# Altium PCB PCB_3_3G_wireless.PcbDoc (part 6 of 6)
Units mm, origin at the board's own origin, x right, y up, seen from the top; angles counter-clockwise.
Board outline 800 x 450.44 mm, 4 copper layers (Top Layer, Y1, S2, Bottom Layer), stack 0.778 mm thick; 1293 components, 1283 nets, 3356 pads, 970 vias.
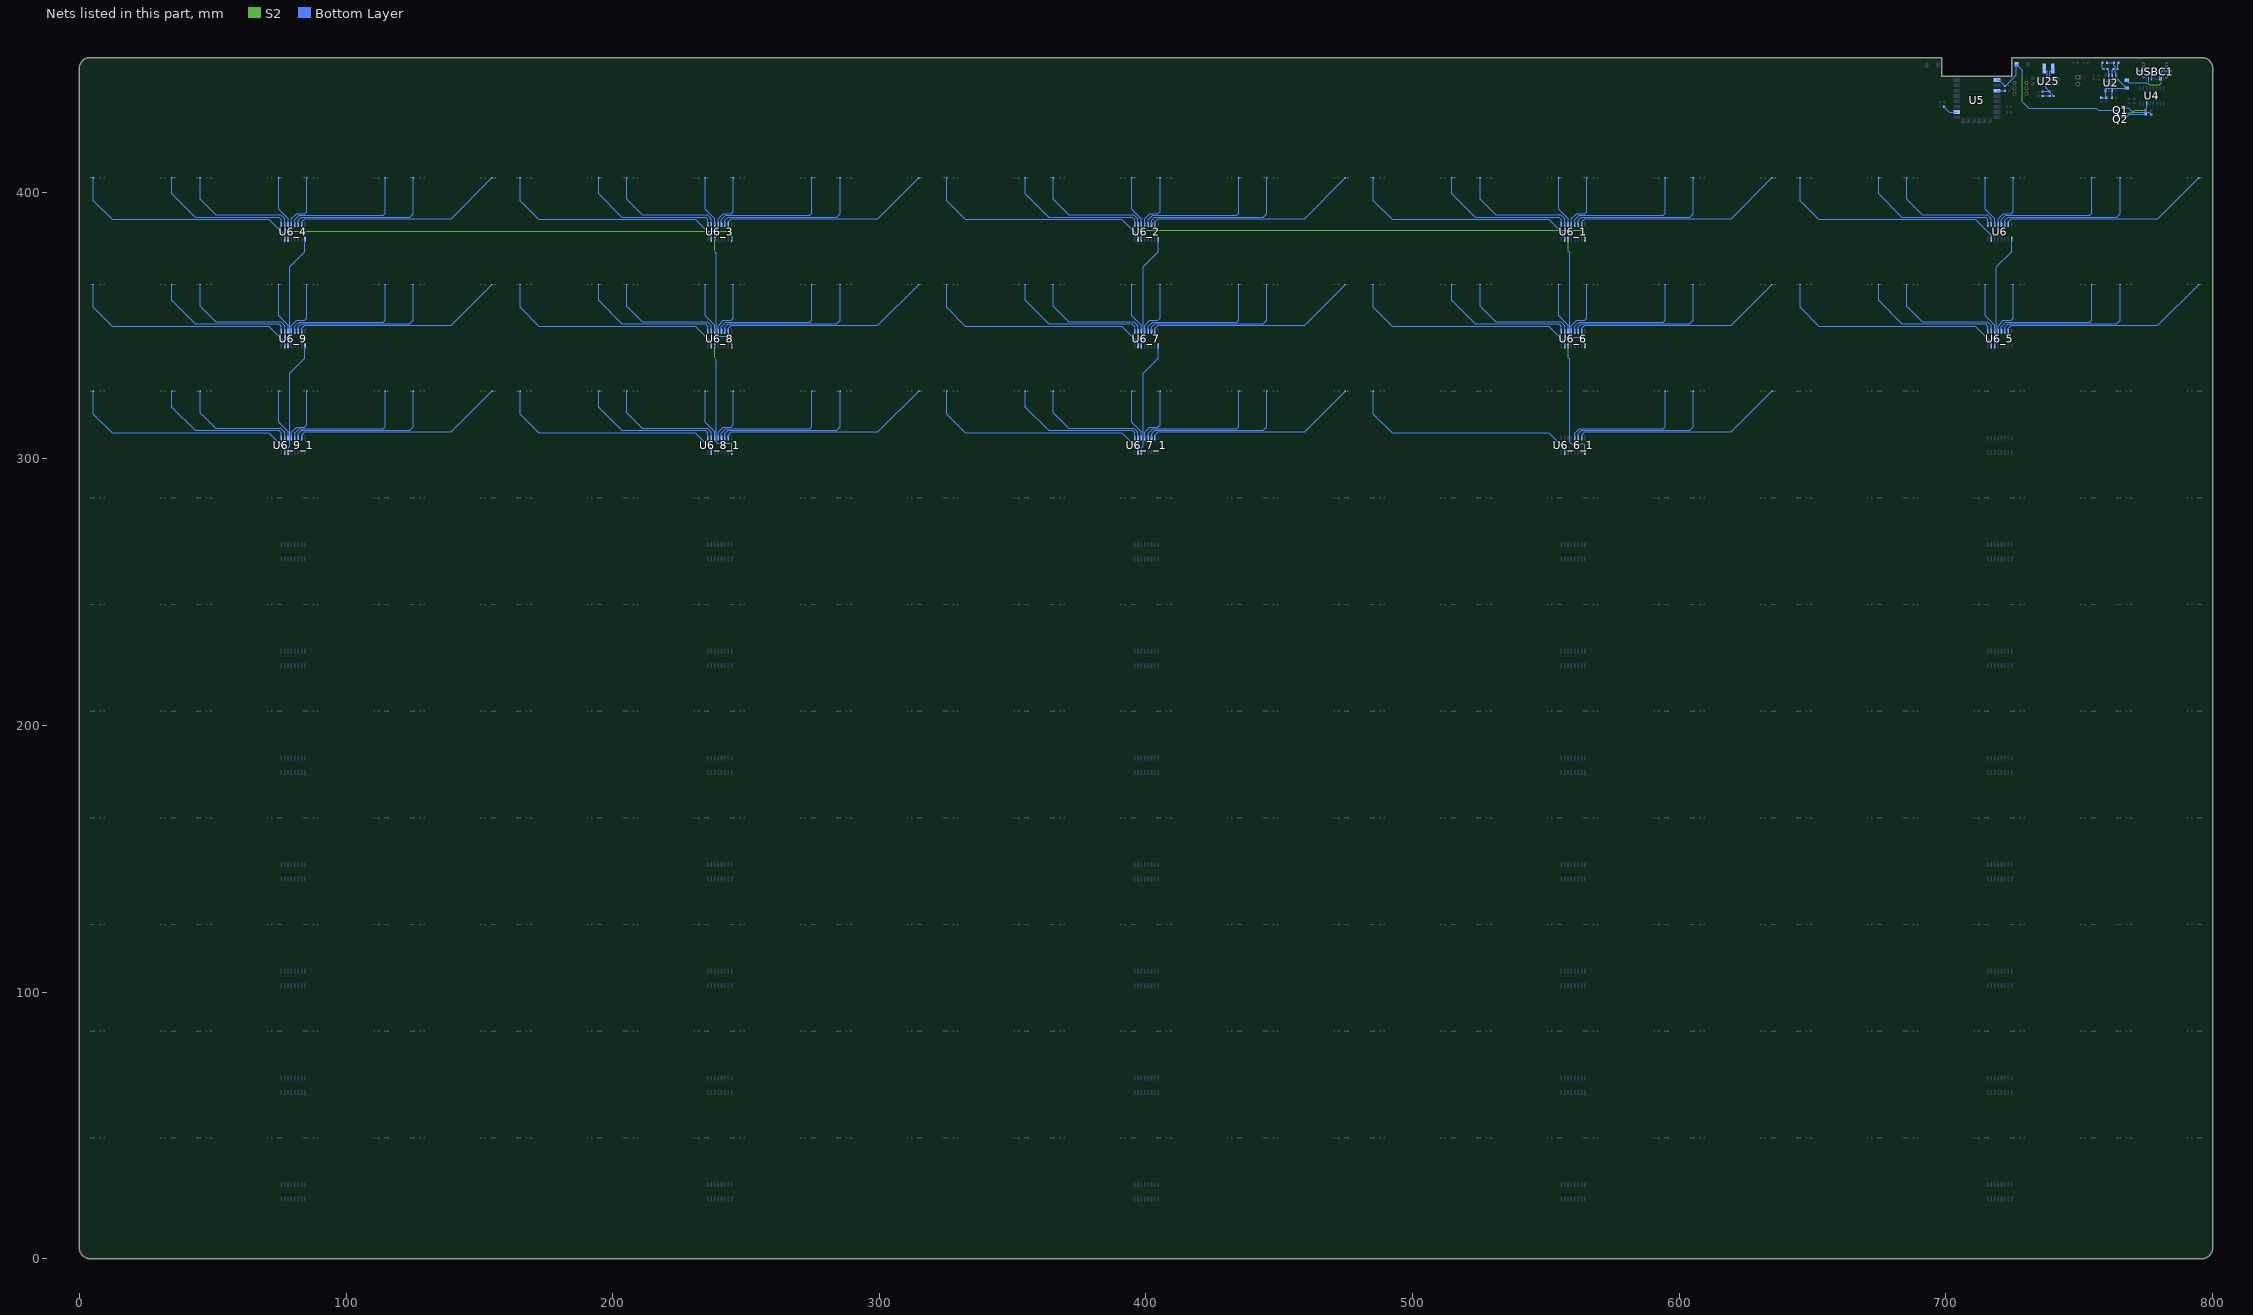
[diagram p8: the nets of this part, all layers, seen from the top]

## Via types
v1: diameter 0.5, hole 0.3, Top Layer to Bottom Layer, tented both sides, 612 vias
v2: diameter 0.45, hole 0.3, Top Layer to Bottom Layer, tented both sides, 354 vias
v3: diameter 0.6, hole 0.4, Top Layer to Bottom Layer, tented both sides, 4 vias

## Nets (pads, with @x,y where several pads share a name; then routed paths per layer and width w, separated by ;. In a path a pad name is that pad's centre, name@x,y a point inside that pad or via, vN(x,y) a via of type N, cw(c..) or ccw(c..) an arc to the next point about the centre after c; other vN are vias at no path point) (continued)
NewNet1129: BR1_1_6_1.1 U6_6_1.5 | length 50
  Bottom Layer w0.254: U6_6_1.5@560.801,307.8 560.801,309.585 562.452,311.236 593.974,311.236 594.723,311.986 BR1_1_6_1.1@594.723,325.308
NewNet1130: BR2_9_1.1 U6_6_1.6 | length 59.2
  Bottom Layer w0.254: U6_6_1.6@562.071,307.8 562.071,309.407 563.29,310.627 603.956,310.627 605.276,311.947 BR2_9_1.1@605.276,325.308
NewNet1131: BR1_9_1.1 U6_6_1.7 | length 79.3
  Bottom Layer w0.254: U6_6_1.7@563.341,307.8 563.341,308.874 564.51,310.042 619.458,310.042 BR1_9_1.1@634.723,325.308
NewNet1132: BR2_3_6_1.1 U6_6_1.15 | length 87.1
  Bottom Layer w0.254: BR2_3_6_1.1@485.276,325.308 485.276,316.759 492.297,309.738 550.971,309.738 556.991,303.718 U6_6_1.15@556.991,302.328
NewNet1133: U6_6.14 U6_6_1.9 | length 45.5
  S2 w0.254: v2(558.292,337.891) v2@558.292,342.298 ; v2(564.439,305.557) 564.611,305.385 v2(564.611,302.328)
  Bottom Layer w0.254: v2(558.292,337.891) 558.876,337.307 558.876,306.116 559.435,305.557 v2(564.439,305.557)
  other v2: 558.261,342.328
NewNet1134: BR1_3_7_1.1 U6_7_1.1 | length 52.9
  Bottom Layer w0.254: BR1_3_7_1.1@354.723,325.308 354.723,319.341 363.438,310.627 394.858,310.627 395.721,309.763 U6_7_1.1@395.721,307.8
NewNet1135: BR2_2_7_1.1 U6_7_1.2 | length 44.9
  Bottom Layer w0.254: BR2_2_7_1.1@365.276,325.308 365.276,317.221 371.083,311.414 395.493,311.414 396.991,309.915 U6_7_1.2@396.991,307.8
NewNet1136: BR1_2_7_1.1 U6_7_1.3 | length 19
  Bottom Layer w0.254: BR1_2_7_1.1@394.723,325.308 394.723,313.58 398.261,310.042 U6_7_1.3@398.261,307.8
NewNet1137: BR2_1_7_1.1 U6_7_1.4 | length 21.6
  Bottom Layer w0.254: U6_7_1.4@399.531,307.8 399.531,309.915 401.487,311.871 404.484,311.871 405.276,312.663 BR2_1_7_1.1@405.276,325.308
NewNet1138: BR1_1_7_1.1 U6_7_1.5 | length 50
  Bottom Layer w0.254: U6_7_1.5@400.801,307.8 400.801,309.585 402.452,311.236 433.974,311.236 434.723,311.986 BR1_1_7_1.1@434.723,325.308
NewNet1139: BR2_10_1.1 U6_7_1.6 | length 59.2
  Bottom Layer w0.254: U6_7_1.6@402.071,307.8 402.071,309.407 403.29,310.627 443.956,310.627 445.276,311.947 BR2_10_1.1@445.276,325.308
NewNet1140: BR1_10_1.1 U6_7_1.7 | length 79.3
  Bottom Layer w0.254: U6_7_1.7@403.341,307.8 403.341,308.874 404.51,310.042 459.458,310.042 BR1_10_1.1@474.723,325.308
NewNet1141: BR2_3_7_1.1 U6_7_1.15 | length 87.1
  Bottom Layer w0.254: BR2_3_7_1.1@325.276,325.308 325.276,316.759 332.297,309.738 390.971,309.738 396.991,303.718 U6_7_1.15@396.991,302.328
NewNet1142: U6_7.9 U6_7_1.14 | length 42.6
  Bottom Layer w0.254: U6_7_1.14@398.261,302.328 398.261,304.043 398.896,304.678 398.896,331.958 404.611,337.673 U6_7.9@404.611,342.328
NewNet1143: BR1_3_8_1.1 U6_8_1.1 | length 52.9
  Bottom Layer w0.254: BR1_3_8_1.1@194.723,325.308 194.723,319.341 203.438,310.627 234.858,310.627 235.721,309.763 U6_8_1.1@235.721,307.8
NewNet1144: BR2_2_8_1.1 U6_8_1.2 | length 44.9
  Bottom Layer w0.254: BR2_2_8_1.1@205.276,325.308 205.276,317.221 211.083,311.414 235.493,311.414 236.991,309.915 U6_8_1.2@236.991,307.8
NewNet1145: BR1_2_8_1.1 U6_8_1.3 | length 19
  Bottom Layer w0.254: BR1_2_8_1.1@234.723,325.308 234.723,313.58 238.261,310.042 U6_8_1.3@238.261,307.8
NewNet1146: BR2_1_8_1.1 U6_8_1.4 | length 21.6
  Bottom Layer w0.254: U6_8_1.4@239.531,307.8 239.531,309.915 241.487,311.871 244.484,311.871 245.276,312.663 BR2_1_8_1.1@245.276,325.308
NewNet1147: BR1_1_8_1.1 U6_8_1.5 | length 50
  Bottom Layer w0.254: U6_8_1.5@240.801,307.8 240.801,309.585 242.452,311.236 273.974,311.236 274.723,311.986 BR1_1_8_1.1@274.723,325.308
NewNet1148: BR2_11_1.1 U6_8_1.6 | length 59.2
  Bottom Layer w0.254: U6_8_1.6@242.071,307.8 242.071,309.407 243.29,310.627 283.956,310.627 285.276,311.947 BR2_11_1.1@285.276,325.308
NewNet1149: BR1_11_1.1 U6_8_1.7 | length 79.3
  Bottom Layer w0.254: U6_8_1.7@243.341,307.8 243.341,308.874 244.51,310.042 299.458,310.042 BR1_11_1.1@314.723,325.308
NewNet1150: BR2_3_8_1.1 U6_8_1.15 | length 87.1
  Bottom Layer w0.254: BR2_3_8_1.1@165.276,325.308 165.276,316.759 172.297,309.738 230.971,309.738 236.991,303.718 U6_8_1.15@236.991,302.328
NewNet1151: U6_8.14 U6_8_1.9 | length 45.4
  S2 w0.254: v2(238.261,337.628) v2(238.261,342.328) ; v2(244.17,305.862) 244.611,305.421 v2(244.611,302.328)
  Bottom Layer w0.254: v2(238.261,337.628) 238.912,336.977 238.912,306.446 239.497,305.862 v2(244.17,305.862)
NewNet1152: BR1_3_9_1.1 U6_9_1.1 | length 52.9
  Bottom Layer w0.254: BR1_3_9_1.1@34.723,325.308 34.723,319.341 43.438,310.627 74.858,310.627 75.721,309.763 U6_9_1.1@75.721,307.8
NewNet1153: BR2_2_9_1.1 U6_9_1.2 | length 44.9
  Bottom Layer w0.254: BR2_2_9_1.1@45.276,325.308 45.276,317.221 51.083,311.414 75.493,311.414 76.991,309.915 U6_9_1.2@76.991,307.8
NewNet1154: BR1_2_9_1.1 U6_9_1.3 | length 19
  Bottom Layer w0.254: BR1_2_9_1.1@74.723,325.308 74.723,313.58 78.261,310.042 U6_9_1.3@78.261,307.8
NewNet1155: BR2_1_9_1.1 U6_9_1.4 | length 21.6
  Bottom Layer w0.254: U6_9_1.4@79.531,307.8 79.531,309.915 81.487,311.871 84.484,311.871 85.276,312.663 BR2_1_9_1.1@85.276,325.308
NewNet1156: BR1_1_9_1.1 U6_9_1.5 | length 50
  Bottom Layer w0.254: U6_9_1.5@80.801,307.8 80.801,309.585 82.452,311.236 113.974,311.236 114.723,311.986 BR1_1_9_1.1@114.723,325.308
NewNet1157: BR2_12_1.1 U6_9_1.6 | length 59.2
  Bottom Layer w0.254: U6_9_1.6@82.071,307.8 82.071,309.407 83.29,310.627 123.956,310.627 125.276,311.947 BR2_12_1.1@125.276,325.308
NewNet1158: BR1_12_1.1 U6_9_1.7 | length 79.3
  Bottom Layer w0.254: U6_9_1.7@83.341,307.8 83.341,308.874 84.51,310.042 139.458,310.042 BR1_12_1.1@154.723,325.308
NewNet1159: BR2_3_9_1.1 U6_9_1.15 | length 87.1
  Bottom Layer w0.254: BR2_3_9_1.1@5.276,325.308 5.276,316.759 12.297,309.738 70.971,309.738 76.991,303.718 U6_9_1.15@76.991,302.328
NewNet1160: U6_9.9 U6_9_1.14 | length 42.6
  Bottom Layer w0.254: U6_9_1.14@78.261,302.328 78.261,304.043 78.896,304.678 78.896,331.958 84.611,337.673 U6_9.9@84.611,342.328
NewNet1161: BR1_12.1 U6_9.7 | length 79.3
  Bottom Layer w0.254: U6_9.7@83.341,347.8 83.341,348.874 84.51,350.042 139.458,350.042 BR1_12.1@154.723,365.308
NewNet1162: BR2_12.1 U6_9.6 | length 59.2
  Bottom Layer w0.254: U6_9.6@82.071,347.8 82.071,349.407 83.29,350.627 123.956,350.627 125.276,351.947 BR2_12.1@125.276,365.308
NewNet1163: BR2_1_9.1 U6_9.4 | length 21.6
  Bottom Layer w0.254: U6_9.4@79.531,347.8 79.531,349.915 81.487,351.871 84.484,351.871 85.276,352.663 BR2_1_9.1@85.276,365.308
NewNet1164: BR1_1_9.1 U6_9.5 | length 50
  Bottom Layer w0.254: U6_9.5@80.801,347.8 80.801,349.585 82.452,351.236 113.974,351.236 114.723,351.986 BR1_1_9.1@114.723,365.308
NewNet1165: BR2_2_9.1 U6_9.2 | length 44.9
  Bottom Layer w0.254: BR2_2_9.1@45.276,365.308 45.276,357.221 51.083,351.414 75.493,351.414 76.991,349.915 U6_9.2@76.991,347.8
NewNet1166: BR1_2_9.1 U6_9.3 | length 19
  Bottom Layer w0.254: BR1_2_9.1@74.723,365.308 74.723,353.58 78.261,350.042 U6_9.3@78.261,347.8
NewNet1167: BR2_3_9.1 U6_9.15 | length 87.1
  Bottom Layer w0.254: BR2_3_9.1@5.276,365.308 5.276,356.759 12.297,349.738 70.971,349.738 76.991,343.718 U6_9.15@76.991,342.328
NewNet1168: BR1_3_9.1 U6_9.1 | length 52.9
  Bottom Layer w0.254: BR1_3_9.1@34.723,365.308 34.723,359.341 43.438,350.627 74.858,350.627 75.721,349.763 U6_9.1@75.721,347.8
NewNet1169: U6_4.9 U6_9.14 | length 42.6
  Bottom Layer w0.254: U6_9.14@78.261,342.328 78.261,344.043 78.896,344.678 78.896,371.958 84.611,377.673 U6_4.9@84.611,382.328
NewNet1170: BR1_11.1 U6_8.7 | length 79.3
  Bottom Layer w0.254: U6_8.7@243.341,347.8 243.341,348.874 244.51,350.042 299.458,350.042 BR1_11.1@314.723,365.308
NewNet1171: BR2_11.1 U6_8.6 | length 59.2
  Bottom Layer w0.254: U6_8.6@242.071,347.8 242.071,349.407 243.29,350.627 283.956,350.627 285.276,351.947 BR2_11.1@285.276,365.308
NewNet1172: BR2_1_8.1 U6_8.4 | length 21.6
  Bottom Layer w0.254: U6_8.4@239.531,347.8 239.531,349.915 241.487,351.871 244.484,351.871 245.276,352.663 BR2_1_8.1@245.276,365.308
NewNet1173: BR1_1_8.1 U6_8.5 | length 50
  Bottom Layer w0.254: U6_8.5@240.801,347.8 240.801,349.585 242.452,351.236 273.974,351.236 274.723,351.986 BR1_1_8.1@274.723,365.308
NewNet1174: BR2_2_8.1 U6_8.2 | length 44.9
  Bottom Layer w0.254: BR2_2_8.1@205.276,365.308 205.276,357.221 211.083,351.414 235.493,351.414 236.991,349.915 U6_8.2@236.991,347.8
NewNet1175: BR1_2_8.1 U6_8.3 | length 19
  Bottom Layer w0.254: BR1_2_8.1@234.723,365.308 234.723,353.58 238.261,350.042 U6_8.3@238.261,347.8
NewNet1176: BR2_3_8.1 U6_8.15 | length 87.1
  Bottom Layer w0.254: BR2_3_8.1@165.276,365.308 165.276,356.759 172.297,349.738 230.971,349.738 236.991,343.718 U6_8.15@236.991,342.328
NewNet1177: BR1_3_8.1 U6_8.1 | length 52.9
  Bottom Layer w0.254: BR1_3_8.1@194.723,365.308 194.723,359.341 203.438,350.627 234.858,350.627 235.721,349.763 U6_8.1@235.721,347.8
NewNet1178: U6_3.14 U6_8.9 | length 45.4
  S2 w0.254: v2(238.261,377.628) v2(238.261,382.328) ; v2(244.17,345.862) 244.611,345.421 v2(244.611,342.328)
  Bottom Layer w0.254: v2(238.261,377.628) 238.912,376.977 238.912,346.446 239.497,345.862 v2(244.17,345.862)
NewNet1179: BR1_10.1 U6_7.7 | length 79.3
  Bottom Layer w0.254: U6_7.7@403.341,347.8 403.341,348.874 404.51,350.042 459.458,350.042 BR1_10.1@474.723,365.308
NewNet1180: BR2_10.1 U6_7.6 | length 59.2
  Bottom Layer w0.254: U6_7.6@402.071,347.8 402.071,349.407 403.29,350.627 443.956,350.627 445.276,351.947 BR2_10.1@445.276,365.308
NewNet1181: BR2_1_7.1 U6_7.4 | length 21.6
  Bottom Layer w0.254: U6_7.4@399.531,347.8 399.531,349.915 401.487,351.871 404.484,351.871 405.276,352.663 BR2_1_7.1@405.276,365.308
NewNet1182: BR1_1_7.1 U6_7.5 | length 50
  Bottom Layer w0.254: U6_7.5@400.801,347.8 400.801,349.585 402.452,351.236 433.974,351.236 434.723,351.986 BR1_1_7.1@434.723,365.308
NewNet1183: BR2_2_7.1 U6_7.2 | length 44.9
  Bottom Layer w0.254: BR2_2_7.1@365.276,365.308 365.276,357.221 371.083,351.414 395.493,351.414 396.991,349.915 U6_7.2@396.991,347.8
NewNet1184: BR1_2_7.1 U6_7.3 | length 19
  Bottom Layer w0.254: BR1_2_7.1@394.723,365.308 394.723,353.58 398.261,350.042 U6_7.3@398.261,347.8
NewNet1185: BR2_3_7.1 U6_7.15 | length 87.1
  Bottom Layer w0.254: BR2_3_7.1@325.276,365.308 325.276,356.759 332.297,349.738 390.971,349.738 396.991,343.718 U6_7.15@396.991,342.328
NewNet1186: BR1_3_7.1 U6_7.1 | length 52.9
  Bottom Layer w0.254: BR1_3_7.1@354.723,365.308 354.723,359.341 363.438,350.627 394.858,350.627 395.721,349.763 U6_7.1@395.721,347.8
NewNet1187: U6_2.9 U6_7.14 | length 42.6
  Bottom Layer w0.254: U6_7.14@398.261,342.328 398.261,344.043 398.896,344.678 398.896,371.958 404.611,377.673 U6_2.9@404.611,382.328
NewNet1188: BR1_9.1 U6_6.7 | length 79.3
  Bottom Layer w0.254: U6_6.7@563.341,347.8 563.341,348.874 564.51,350.042 619.458,350.042 BR1_9.1@634.723,365.308
NewNet1189: BR2_9.1 U6_6.6 | length 59.2
  Bottom Layer w0.254: U6_6.6@562.071,347.8 562.071,349.407 563.29,350.627 603.956,350.627 605.276,351.947 BR2_9.1@605.276,365.308
NewNet1190: BR2_1_6.1 U6_6.4 | length 21.6
  Bottom Layer w0.254: U6_6.4@559.531,347.8 559.531,349.915 561.487,351.871 564.484,351.871 565.276,352.663 BR2_1_6.1@565.276,365.308
NewNet1191: BR1_1_6.1 U6_6.5 | length 50
  Bottom Layer w0.254: U6_6.5@560.801,347.8 560.801,349.585 562.452,351.236 593.974,351.236 594.723,351.986 BR1_1_6.1@594.723,365.308
NewNet1192: BR2_2_6.1 U6_6.2 | length 44.9
  Bottom Layer w0.254: BR2_2_6.1@525.276,365.308 525.276,357.221 531.083,351.414 555.493,351.414 556.991,349.915 U6_6.2@556.991,347.8
NewNet1193: BR1_2_6.1 U6_6.3 | length 19
  Bottom Layer w0.254: BR1_2_6.1@554.723,365.308 554.723,353.58 558.261,350.042 U6_6.3@558.261,347.8
NewNet1194: BR2_3_6.1 U6_6.15 | length 87.1
  Bottom Layer w0.254: BR2_3_6.1@485.276,365.308 485.276,356.759 492.297,349.738 550.971,349.738 556.991,343.718 U6_6.15@556.991,342.328
NewNet1195: BR1_3_6.1 U6_6.1 | length 52.9
  Bottom Layer w0.254: BR1_3_6.1@514.723,365.308 514.723,359.341 523.438,350.627 554.858,350.627 555.721,349.763 U6_6.1@555.721,347.8
NewNet1196: U6_1.14 U6_6.9 | length 45.5
  S2 w0.254: v2(558.292,377.891) v2@558.292,382.298 ; v2(564.439,345.557) 564.611,345.385 v2(564.611,342.328)
  Bottom Layer w0.254: v2(558.292,377.891) 558.876,377.307 558.876,346.116 559.435,345.557 v2(564.439,345.557)
  other v2: 558.261,382.328
NewNet1197: BR1_8.1 U6_5.7 | length 79.3
  Bottom Layer w0.254: U6_5.7@723.341,347.8 723.341,348.874 724.51,350.042 779.458,350.042 BR1_8.1@794.723,365.308
NewNet1198: BR2_8.1 U6_5.6 | length 59.2
  Bottom Layer w0.254: U6_5.6@722.071,347.8 722.071,349.407 723.29,350.627 763.956,350.627 765.276,351.947 BR2_8.1@765.276,365.308
NewNet1199: BR2_1_5.1 U6_5.4 | length 21.6
  Bottom Layer w0.254: U6_5.4@719.531,347.8 719.531,349.915 721.487,351.871 724.484,351.871 725.276,352.663 BR2_1_5.1@725.276,365.308
NewNet1200: BR1_1_5.1 U6_5.5 | length 50
  Bottom Layer w0.254: U6_5.5@720.801,347.8 720.801,349.585 722.452,351.236 753.974,351.236 754.723,351.986 BR1_1_5.1@754.723,365.308
NewNet1201: BR2_2_5.1 U6_5.2 | length 44.9
  Bottom Layer w0.254: BR2_2_5.1@685.276,365.308 685.276,357.221 691.083,351.414 715.493,351.414 716.991,349.915 U6_5.2@716.991,347.8
NewNet1202: BR1_2_5.1 U6_5.3 | length 19
  Bottom Layer w0.254: BR1_2_5.1@714.723,365.308 714.723,353.58 718.261,350.042 U6_5.3@718.261,347.8
NewNet1203: BR2_3_5.1 U6_5.15 | length 87.1
  Bottom Layer w0.254: BR2_3_5.1@645.276,365.308 645.276,356.759 652.297,349.738 710.971,349.738 716.991,343.718 U6_5.15@716.991,342.328
NewNet1204: BR1_3_5.1 U6_5.1 | length 52.9
  Bottom Layer w0.254: BR1_3_5.1@674.723,365.308 674.723,359.341 683.438,350.627 714.858,350.627 715.721,349.763 U6_5.1@715.721,347.8
NewNet1205: U6.9 U6_5.14 | length 42.6
  Bottom Layer w0.254: U6_5.14@718.261,342.328 718.261,344.043 718.896,344.678 718.896,371.958 724.611,377.673 U6.9@724.611,382.328
NewNet1206: BR1_7.1 U6_4.7 | length 79.3
  Bottom Layer w0.254: U6_4.7@83.341,387.8 83.341,388.874 84.51,390.042 139.458,390.042 BR1_7.1@154.723,405.308
NewNet1207: BR2_7.1 U6_4.6 | length 59.2
  Bottom Layer w0.254: U6_4.6@82.071,387.8 82.071,389.407 83.29,390.627 123.956,390.627 125.276,391.947 BR2_7.1@125.276,405.308
NewNet1208: BR2_1_4.1 U6_4.4 | length 21.6
  Bottom Layer w0.254: U6_4.4@79.531,387.8 79.531,389.915 81.487,391.871 84.484,391.871 85.276,392.663 BR2_1_4.1@85.276,405.308
NewNet1209: BR1_1_4.1 U6_4.5 | length 50
  Bottom Layer w0.254: U6_4.5@80.801,387.8 80.801,389.585 82.452,391.236 113.974,391.236 114.723,391.986 BR1_1_4.1@114.723,405.308
NewNet1210: BR2_2_4.1 U6_4.2 | length 44.9
  Bottom Layer w0.254: BR2_2_4.1@45.276,405.308 45.276,397.221 51.083,391.414 75.493,391.414 76.991,389.915 U6_4.2@76.991,387.8
NewNet1211: BR1_2_4.1 U6_4.3 | length 19
  Bottom Layer w0.254: BR1_2_4.1@74.723,405.308 74.723,393.58 78.261,390.042 U6_4.3@78.261,387.8
NewNet1212: BR2_3_4.1 U6_4.15 | length 87.1
  Bottom Layer w0.254: BR2_3_4.1@5.276,405.308 5.276,396.759 12.297,389.738 70.971,389.738 76.991,383.718 U6_4.15@76.991,382.328
NewNet1213: BR1_3_4.1 U6_4.1 | length 52.9
  Bottom Layer w0.254: BR1_3_4.1@34.723,405.308 34.723,399.341 43.438,390.627 74.858,390.627 75.721,389.763 U6_4.1@75.721,387.8
NewNet1214: U6_3.9 U6_4.14 | length 171.2
  S2 w0.254: v2(78.261,382.328) 78.261,384.204 79.426,385.369 243.637,385.369 244.611,384.394 v2(244.611,382.328)
NewNet1215: BR1_6.1 U6_3.7 | length 79.3
  Bottom Layer w0.254: U6_3.7@243.341,387.8 243.341,388.874 244.51,390.042 299.458,390.042 BR1_6.1@314.723,405.308
NewNet1216: BR2_6.1 U6_3.6 | length 59.2
  Bottom Layer w0.254: U6_3.6@242.071,387.8 242.071,389.407 243.29,390.627 283.956,390.627 285.276,391.947 BR2_6.1@285.276,405.308
NewNet1217: BR2_1_3.1 U6_3.4 | length 21.6
  Bottom Layer w0.254: U6_3.4@239.531,387.8 239.531,389.915 241.487,391.871 244.484,391.871 245.276,392.663 BR2_1_3.1@245.276,405.308
NewNet1218: BR1_1_3.1 U6_3.5 | length 50
  Bottom Layer w0.254: U6_3.5@240.801,387.8 240.801,389.585 242.452,391.236 273.974,391.236 274.723,391.986 BR1_1_3.1@274.723,405.308
NewNet1219: BR2_2_3.1 U6_3.2 | length 44.9
  Bottom Layer w0.254: BR2_2_3.1@205.276,405.308 205.276,397.221 211.083,391.414 235.493,391.414 236.991,389.915 U6_3.2@236.991,387.8
NewNet1220: BR1_2_3.1 U6_3.3 | length 19
  Bottom Layer w0.254: BR1_2_3.1@234.723,405.308 234.723,393.58 238.261,390.042 U6_3.3@238.261,387.8
NewNet1221: BR2_3_3.1 U6_3.15 | length 87.1
  Bottom Layer w0.254: BR2_3_3.1@165.276,405.308 165.276,396.759 172.297,389.738 230.971,389.738 236.991,383.718 U6_3.15@236.991,382.328
NewNet1222: BR1_3_3.1 U6_3.1 | length 52.9
  Bottom Layer w0.254: BR1_3_3.1@194.723,405.308 194.723,399.341 203.438,390.627 234.858,390.627 235.721,389.763 U6_3.1@235.721,387.8
NewNet1223: BR1_5.1 U6_2.7 | length 79.3
  Bottom Layer w0.254: U6_2.7@403.341,387.8 403.341,388.874 404.51,390.042 459.458,390.042 BR1_5.1@474.723,405.308
NewNet1224: BR2_5.1 U6_2.6 | length 59.2
  Bottom Layer w0.254: U6_2.6@402.071,387.8 402.071,389.407 403.29,390.627 443.956,390.627 445.276,391.947 BR2_5.1@445.276,405.308
NewNet1225: BR2_1_2.1 U6_2.4 | length 21.6
  Bottom Layer w0.254: U6_2.4@399.531,387.8 399.531,389.915 401.487,391.871 404.484,391.871 405.276,392.663 BR2_1_2.1@405.276,405.308
NewNet1226: BR1_1_2.1 U6_2.5 | length 50
  Bottom Layer w0.254: U6_2.5@400.801,387.8 400.801,389.585 402.452,391.236 433.974,391.236 434.723,391.986 BR1_1_2.1@434.723,405.308
NewNet1227: BR2_2_2.1 U6_2.2 | length 44.9
  Bottom Layer w0.254: BR2_2_2.1@365.276,405.308 365.276,397.221 371.083,391.414 395.493,391.414 396.991,389.915 U6_2.2@396.991,387.8
NewNet1228: BR1_2_2.1 U6_2.3 | length 19
  Bottom Layer w0.254: BR1_2_2.1@394.723,405.308 394.723,393.58 398.261,390.042 U6_2.3@398.261,387.8
NewNet1229: BR2_3_2.1 U6_2.15 | length 87.1
  Bottom Layer w0.254: BR2_3_2.1@325.276,405.308 325.276,396.759 332.297,389.738 390.971,389.738 396.991,383.718 U6_2.15@396.991,382.328
NewNet1230: BR1_3_2.1 U6_2.1 | length 52.9
  Bottom Layer w0.254: BR1_3_2.1@354.723,405.308 354.723,399.341 363.438,390.627 394.858,390.627 395.721,389.763 U6_2.1@395.721,387.8
NewNet1231: U6_1.9 U6_2.14 | length 171.6
  S2 w0.254: v2(398.261,382.328) 398.261,384.621 399.263,385.623 563.245,385.623 564.611,384.257 v2(564.611,382.328)
NewNet1232: BR1_4.1 U6_1.7 | length 79.3
  Bottom Layer w0.254: U6_1.7@563.341,387.8 563.341,388.874 564.51,390.042 619.458,390.042 BR1_4.1@634.723,405.308
NewNet1233: BR2_4.1 U6_1.6 | length 59.2
  Bottom Layer w0.254: U6_1.6@562.071,387.8 562.071,389.407 563.29,390.627 603.956,390.627 605.276,391.947 BR2_4.1@605.276,405.308
NewNet1234: BR2_1_1.1 U6_1.4 | length 21.6
  Bottom Layer w0.254: U6_1.4@559.531,387.8 559.531,389.915 561.487,391.871 564.484,391.871 565.276,392.663 BR2_1_1.1@565.276,405.308
NewNet1235: BR1_1_1.1 U6_1.5 | length 50
  Bottom Layer w0.254: U6_1.5@560.801,387.8 560.801,389.585 562.452,391.236 593.974,391.236 594.723,391.986 BR1_1_1.1@594.723,405.308
NewNet1236: BR2_2_1.1 U6_1.2 | length 44.9
  Bottom Layer w0.254: BR2_2_1.1@525.276,405.308 525.276,397.221 531.083,391.414 555.493,391.414 556.991,389.915 U6_1.2@556.991,387.8
NewNet1237: BR1_2_1.1 U6_1.3 | length 19
  Bottom Layer w0.254: BR1_2_1.1@554.723,405.308 554.723,393.58 558.261,390.042 U6_1.3@558.261,387.8
NewNet1238: BR2_3_1.1 U6_1.15 | length 87.1
  Bottom Layer w0.254: BR2_3_1.1@485.276,405.308 485.276,396.759 492.297,389.738 550.971,389.738 556.991,383.718 U6_1.15@556.991,382.328
NewNet1239: BR1_3_1.1 U6_1.1 | length 52.9
  Bottom Layer w0.254: BR1_3_1.1@514.723,405.308 514.723,399.341 523.438,390.627 554.858,390.627 555.721,389.763 U6_1.1@555.721,387.8
NewNet1240: BR1_3.1 U6.1 | length 52.9
  Bottom Layer w0.254: BR1_3.1@674.723,405.308 674.723,399.341 683.438,390.627 714.858,390.627 715.721,389.763 U6.1@715.721,387.8
NewNet1241: BR2_2.1 U6.2 | length 44.9
  Bottom Layer w0.254: BR2_2.1@685.276,405.308 685.276,397.221 691.083,391.414 715.493,391.414 716.991,389.915 U6.2@716.991,387.8
NewNet1242: BR1_2.1 U6.3 | length 19
  Bottom Layer w0.254: BR1_2.1@714.723,405.308 714.723,393.58 718.261,390.042 U6.3@718.261,387.8
NewNet1243: BR2_1.1 U6.4 | length 21.6
  Bottom Layer w0.254: U6.4@719.531,387.8 719.531,389.915 721.487,391.871 724.484,391.871 725.276,392.663 BR2_1.1@725.276,405.308
NewNet1244: BR1_1.1 U6.5 | length 50
  Bottom Layer w0.254: U6.5@720.801,387.8 720.801,389.585 722.452,391.236 753.974,391.236 754.723,391.986 BR1_1.1@754.723,405.308
NewNet1245: BR2.1 U6.6 | length 59.2
  Bottom Layer w0.254: U6.6@722.071,387.8 722.071,389.407 723.29,390.627 763.956,390.627 765.276,391.947 BR2.1@765.276,405.308
NewNet1246: BR1.1 U6.7 | length 79.3
  Bottom Layer w0.254: U6.7@723.341,387.8 723.341,388.874 724.51,390.042 779.458,390.042 BR1.1@794.723,405.308
NewNet1247: BR2_3.1 U6.15 | length 87.1
  Bottom Layer w0.254: BR2_3.1@645.276,405.308 645.276,396.759 652.297,389.738 710.971,389.738 716.991,383.718 U6.15@716.991,382.328
NewNet1248: R13.2 U5.10 | length 5.7
  Bottom Layer w0.254: R13.2@699.213,432.041 701.291,429.963 703.963,429.963 U5.10@704.009,430.009
NewNet1249: R12.2 U5.3 | length 3.1
  Bottom Layer w0.254: U5.3@719.112,438.008 719.163,437.957 R12.2@722.169,437.957
NewNet1250: Q2.1 R17.2 | length 8.8
  Bottom Layer w0.254: Q2.1@766.49,428.244 767.829,428.244 768.737,429.152 R17.2@774.944,429.152
NewNet1251: Q1.1 R8.2 | length 11.4
  Bottom Layer w0.254: Q1.1@766.508,431.546 768.375,431.546 770.019,429.903 776.149,429.903 R8.2@776.935,429.116
NewNet1252: L1_20.2 U25.2 | length 3.7
  Bottom Layer w0.254: L1_20.2@736.854,446.273 737.944,445.183 U25.2@737.944,443.034
NewNet1253: L1_20.1 U25.4 | length 3.7
  Bottom Layer w0.254: U25.4@738.944,443.034 738.944,445.163 L1_20.1@740.054,446.273
NewNet1254: C2.1 R1.1 R3.2 U25.10 | length 7.9
  Bottom Layer w0.254: R1.1@736.257,437.711 R3.2@738.814,437.711 ; U25.10@737.443,440.22 737.443,439.082 R3.2@738.814,437.711 ; C2.1@740.293,436.022 738.814,437.5 R3.2@738.814,437.711
NewNet1255: C2.2 R2.1 | length 2.6
  Bottom Layer w0.254: R2.1@736.287,436.022 C2.2@738.893,436.022
NewNet1256: R7.2 U2.2 | length 2.7
  Bottom Layer w0.254: R7.2@762.268,435.371 762.376,435.479 U2.2@762.376,437.998
NewNet1257: C4.2 C14.2 LED1.1 LED2.1 R4.2 U2.4 U2.8 | length 27.5
  Bottom Layer w0.254: C4.2@758.233,435.359 758.255,435.38 C14.2@760.123,435.38 759.836,435.667 U2.4@759.836,437.998 759.836,438.93 759.884,438.978 R4.2@767.725,438.978 763.646,443.057 U2.8@763.646,443.814 763.646,444.911 763.539,445.018 763.539,446.964 762.942,447.561 LED1.1@762.942,448.465 760.423,448.465 LED2.1@760.385,448.503
NewNet1258: R6.1 U2.6 | length 2.5
  Bottom Layer w0.254: R6.1@760.605,446.133 761.106,445.632 U2.6@761.106,443.814
NewNet1259: R5.1 U2.7 | length 2.5
  Bottom Layer w0.254: U2.7@762.376,443.814 762.376,445.716 R5.1@762.814,446.154
NewNet1260: LED1.2 R5.2 | length 2.4
  Bottom Layer w0.254: R5.2@764.321,446.154 764.321,448.141 LED1.2@764.644,448.465
NewNet1261: LED2.2 R6.2 | length 2.5
  Bottom Layer w0.254: LED2.2@758.683,448.503 758.683,446.548 R6.2@759.098,446.133
NewNet1262: R9.2 USBC1.B5 | length 6.5
  Bottom Layer w0.254: USBC1.B5@780.097,442.526 780.097,444.297 781.313,445.512 R9.2@784.332,445.512
NewNet1263: R10.1 USBC1.A5 | length 7
  Bottom Layer w0.254: R10.1@772.307,445.512 775.747,445.512 777.098,444.162 USBC1.A5@777.098,442.526
RST: Q1.3 R11.2 SW2.1 U5.1 | length 66.4
  S2 w0.254: v1(728.678,433.771) v1(728.678,443.568)
  Bottom Layer w0.254: U5.1@719.112,442.008 U5.1@719.27,442.166 ; SW2.1@726.44,447.952 728.678,445.714 v1(728.678,443.568) ; v1(728.678,433.771) 731.015,431.434 756.361,431.434 757.199,430.596 v1(764.508,430.596)
  Bottom Layer w0.381: U5.1@719.27,442.166 719.733,442.166 R11.2@722.153,439.745 724.386,441.978 724.487,441.978 726.44,443.931 SW2.1@726.44,447.952
RTS#: Q1.2 R17.1 U4.14 | length 11.5
  S2 w0.254: v2(766.508,429.646) 769.767,429.646 770.771,430.649 774.935,430.649 v2(774.944,430.659)
  Bottom Layer w0.254: v2(774.944,430.659) 775.261,430.976 U4.14@775.261,433.185
VBUS: R4.1 USBC1.A4 USBC1.A9 | length 17.3
  S2 w0.254: v1(775.515,441.035) 776.361,440.19 780.07,440.19 780.743,440.863 v1(780.743,441.025)
  Bottom Layer w0.254: R4.1@767.725,441.935 768.624,441.035 v1(775.515,441.035) 775.947,441.467 USBC1.A4@775.947,442.526 ; v1(780.743,441.025) USBC1.A9@780.743,442.521
pads on no net: SW4.1 SW4.4 U4.7 U4.8 U4.9 U4.10 U4.11 U4.12 U4.15 U5.11 U5.17 U5.18 U5.19 U5.20 U5.21 U5.22 U6_9_8.9 USBC1.0 USBC1.A8 USBC1.B8

## Polygon pours and split planes (outlines as drawn)
NewNet1252 on Bottom Layer "BUSV" (solid, remove dead copper, pour order 0): 737.944,444.007 735.576,444.007 734.83,444.038 734.83,444.523 734.83,444.754 734.83,448.376 737.974,448.376 737.994,448.396 738.094,448.297 738.094,444.038
NewNet1253 on Bottom Layer "BUSV" (solid, remove dead copper, pour order 2): 738.914,444.01 741.484,444.002 742.038,444.002 742.038,444.556 742.038,448.467 738.629,448.467 738.607,448.445 738.622,448.429 738.622,445.61 738.622,444.218 738.83,444.01
3V3 on Bottom Layer "BUSV" (solid, remove dead copper, pour order 4): 731.139,443.337 729.778,443.337 729.549,443.108 726.821,440.38 726.821,439.725 725.058,439.725 724.743,439.41 724.72,439.387 724.72,438.333 724.72,438.31 725.101,437.929 725.114,437.942 726.831,437.942 731.116,437.942 731.192,438.018 731.291,438.117 731.291,439.334 731.291,439.473 730.898,439.867 730.834,439.931 729.028,439.931 729.028,440.225 728.746,440.507 728.701,440.553 728.701,441.65 729.43,441.65 729.767,441.988 729.78,441.975 731.279,441.975
3V3 on Bottom Layer "BUSV" (solid, remove dead copper, pour order 6): 737.443,443.708 737.448,443.702 737.448,442.585 736.94,442.585 736.155,441.8 736.039,441.683 734.134,441.683 731.2,441.683 731.197,441.686 731.073,441.81 731.073,443.738 737.413,443.738 737.436,443.715 737.443,443.708 737.443,443.034
BAT+ on Bottom Layer "BUSV" (solid, remove dead copper, pour order 8): 760.258,444.591 760.268,443.133 760.25,443.116 760.225,443.141 753.646,443.141 752.241,443.141 750.954,441.853 750.88,441.78 748.073,441.78 740.466,441.78 740.453,441.767 739.445,442.775 739.445,443.034 739.445,443.553 740.626,443.553 743.661,443.553 743.661,444.16 746.084,446.583 746.11,446.608 754.06,446.608 756.666,446.608 756.732,446.674 758.861,444.546 759.115,444.546 760.212,444.546
NewNet1257 on Bottom Layer "BUSV" (solid, remove dead copper, pour order 10): 768.67,439.651 768.67,438.29 768.655,438.274 766.694,438.274 766.694,438.579 764.576,440.698 764.057,441.216 764.057,442.295 764.057,442.316 763.262,443.111 763.077,443.296 763.077,444.657 764.174,444.657 764.189,444.642 765.348,443.484 765.348,441.485 765.348,441.472 767.118,439.702 767.164,439.656 768.662,439.656
VBUS on Bottom Layer "BUSV" (solid, pour order 12): 776.474,441.443 776.489,440.206 767.795,440.206 766.842,441.158 766.723,441.289 766.723,443.622 766.639,443.706 766.662,443.683 770.048,443.683 771.099,443.683 772.656,442.126 773.34,441.443 775.984,441.443
GND on Bottom Layer "BUSV" (solid, remove dead copper, pour order 34): 873.455,542.011 -137.465,542.011 -137.465,-45.669 -137.465,-47.346 860.933,-47.346
GND on Y1 "BUSV" (solid, remove dead copper, pour order 36): 880.974,521.97 -84.049,521.97 -84.049,-64.872 -84.049,-63.195 894.334,-63.195

## Keep-outs
Keep-Out Layer:
  lines w0.254: 0,4 ccw(c4,4) 4,0 796,0 ccw(c796,4) 800,4 800,446.444 ccw(c796,446.444) 796,450.444 724.813,450.444 724.686,450.317 724.686,443.494 719.686,443.494 703.43,443.494 698.43,443.494 698.43,450.444 4,450.444 ccw(c4,446.444) 0,446.444 0,4

## Other copper
Top Layer:
  drawing of 1398 lines, arcs and shapes, not listed

## Silkscreen, mask and mechanical layers (free items; w line width, h text height)
Bottom Overlay:
  lines w0.254: 746.463,437.972 749.463,437.972 752.463,437.972 752.463,440.472 752.463,443.012 752.463,445.529 ; 746.463,438.005 746.463,440.472 746.463,443.012 746.463,445.529 ; 746.48,445.512 749.463,445.512 752.463,445.512
  text "RST" at 734.266,447.589 h1
  text "+" at 745.566,443.205 h2
Top Solder:
  drawing of 1398 lines, arcs and shapes, not listed
Mechanical 1:
  drawing of 8190 lines, arcs and shapes, not listed
Mechanical 2:
  drawing of 810 lines, arcs and shapes, not listed
Mechanical 3:
  drawing of 1009 lines, arcs and shapes, not listed